# Altium PCB 主板大.PcbDoc (continued)
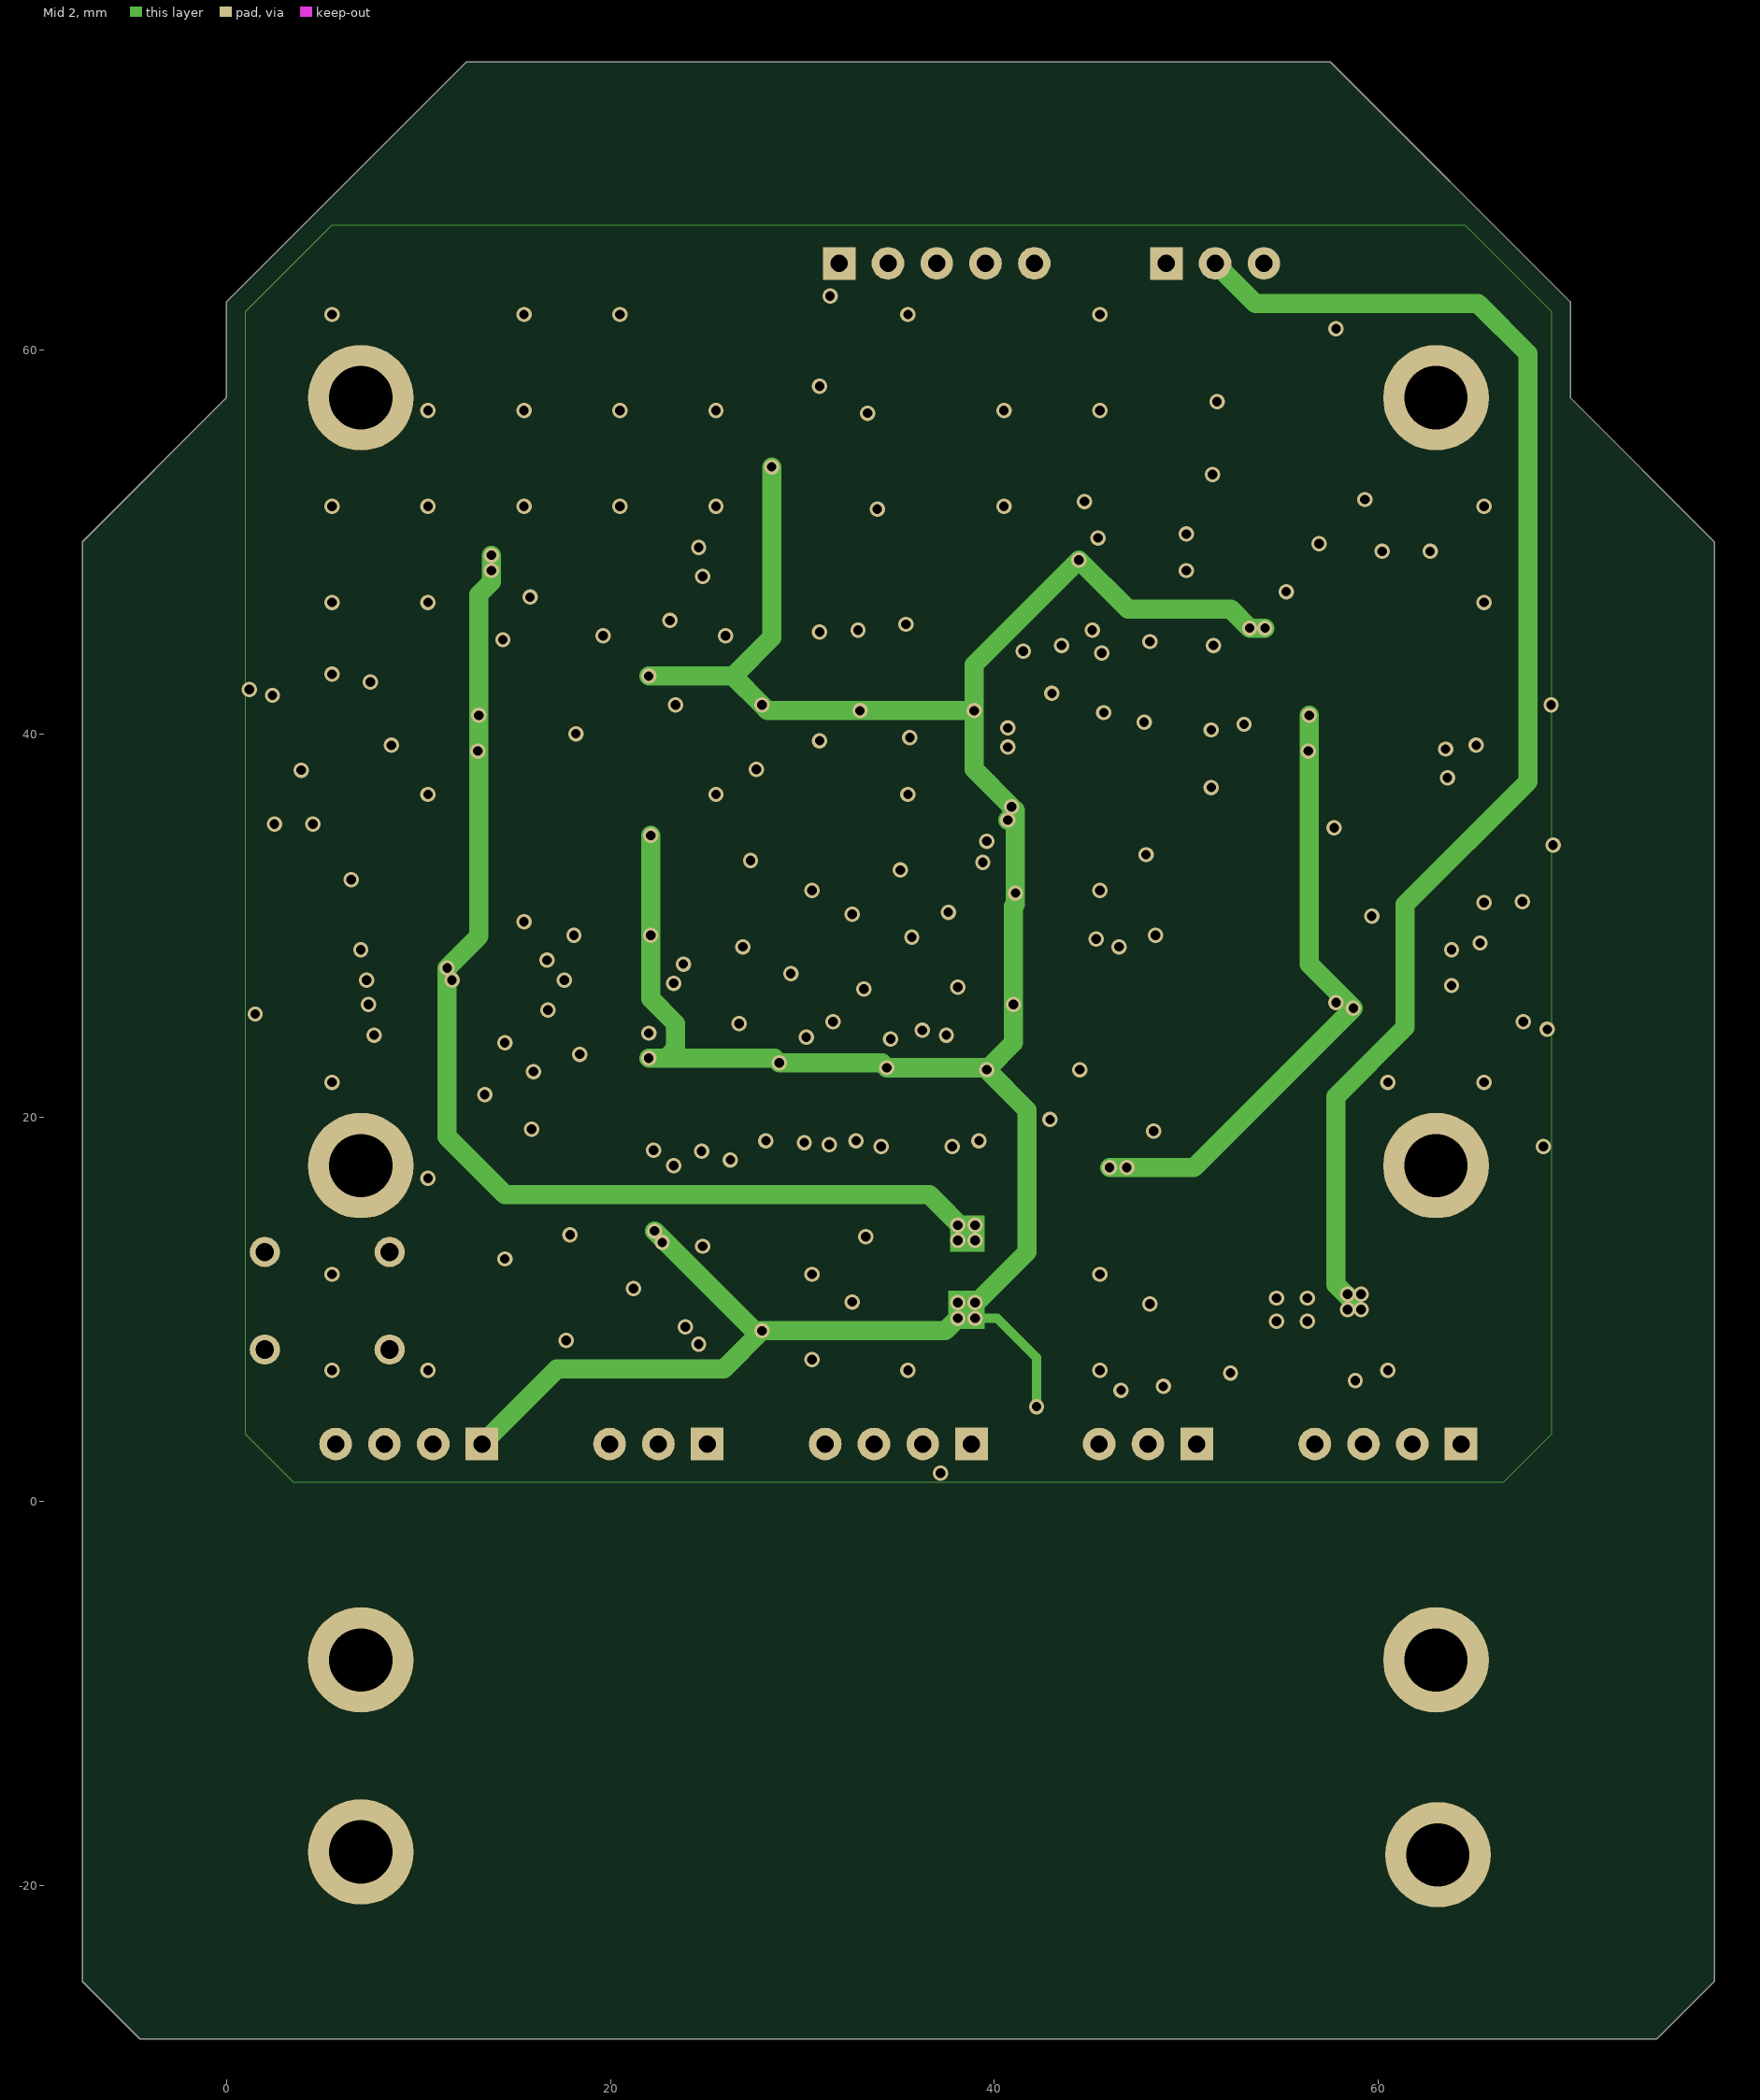
[diagram p3: Mid 2]

## Layer stack, top to bottom
Top Solder: solder mask 0.01, Solder Resist, Dk 3.5
Top Layer: signal copper 0.035
Dielectric 1: prepreg 0.21, Dk 4.2
Mid 1: signal copper 0.015
Dielectric 3: core 1.06, Dk 4.2
Mid 2: signal copper 0.015
Dielectric 2: prepreg 0.21, Dk 4.2
Bottom Layer: signal copper 0.035
Bottom Solder: solder mask 0.01, Solder Resist, Dk 3.5

## Board outline
-7.5,-25 -7.5,50 0,57.5 0,62.5 12.5,75 57.5,75 70,62.5 70,57.5 77.5,50 77.5,-25 74.5,-28 -4.5,-28

## Design rules (kind name [scope] priority, off if disabled: settings)
Clearance [All] p1: gap=0.254 ignorepadtopadclearanceinfootprint=TRUE except(0: Arc-Hole Track-Hole SMDPad-Hole THPad-Hole Via-Hole Fill-Hole Poly-Hole Region-Hole Text-Hole; 0.15: Arc-SMDPad Track-SMDPad; 0.2: Arc-Arc Arc-Track Track-Track)
ComponentClearance [All] p1: gap=0 collisioncheckmode=3 verticalgap=0 showdistances=FALSE
Height [All] p1: minheight=0 maxheight=1000 prefheight=1000
HoleSize [All] p1: absolutevalues=TRUE maxlimit=10 minlimit=0.025 maxpercent=80.000 minpercent=20.000
HoleToHoleClearance [All] p1: gap=0 allowstackedmicrovias=TRUE
MinimumSolderMaskSliver [All] p1: minsoldermaskwidth=0
PlaneConnect [All] p1: pad.planeconnectstyle=Relief pad.reliefexpansion=0.508 pad.reliefentries=4 pad.reliefconductorwidth=0.254 pad.reliefairgap=0.254 via.planeconnectstyle=Direct via.reliefexpansion=0.508 via.reliefentries=4 via.reliefconductorwidth=0.254 via.reliefairgap=0.254
PolygonConnect [All] p1: thpad.connectstyle=Relief thpad.reliefconductorwidth=0.254 thpad.reliefentries=4 thpad.polygonreliefangle="90 Angle" thpad.airgapwidth=0.254 smdpad.connectstyle=Relief smdpad.reliefconductorwidth=0.254 smdpad.reliefentries=4 smdpad.polygonreliefangle="90 Angle" smdpad.airgapwidth=0.254 via.connectstyle=Direct via.reliefconductorwidth=0.254 via.reliefentries=4 via.polygonreliefangle="90 Angle" via.airgapwidth=0.254
RoutingVias [All] p1: holewidth=0.711 width=1.27 viastyle="Through Hole" minholewidth=0 minwidth=0 maxholewidth=10 maxwidth=10
SilkToSilkClearance [All] p1: silktosilkclearance=0
SilkToSolderMaskClearance [IsPad] p1: minsilkscreentomaskgap=0 clearancetoexposedcopper=TRUE
SolderMaskExpansion [All] p1: expansion=0.102
Width [All] p1: maxlimit=10 minlimit=0.1 preferedwidth=0.254 minimp=50.000000 maximp=50.000000 favimp=50.000000
22 further rules are at their usual default settings.

## Classes and differential pairs
component class 各路供电与接口: C53 C54 C55 C56 C57 C58 C59 C60 C61 C62 C63 C64 C65 C66 C67 C68 C69 D3 L1 P1 P13 P14 P15 P16 R32 R37 R41 R42 R43 R44 R45 R48 R49 R50 R51 R53 R54 U11 U12
component class F407主控: C1 C2 C3 C4 C5 C6 C7 C8 C9 C10 C11 C12 C13 C14 C15 C16 C17 C18 C19 C20 C21 C22 C23 C24 C25 C26 C27 C28 C29 C30 C31 C32 C33 C34 C35 C36 FB1 J1 J2 P2 P3 P4 P5 P6 P12 R1 R2 R3 R4 R5 R6 R7 R8 R9 R10 R11 R12 R13 R14 R15 S1 U1 U2 U3 U4 U5 U6 Y1 Y2
component class 外围电路: C54 C55 C56 C57 C58 C59 C60 C61 C62 C63 C64 C65 C66 C67 C68 C69 D2 D3 FB2 FB3 P12 P13 P14 P15 P16 R29 R30 R31 R32 R33 R34 R35 R36 R37 R38 R39 R40 R41 R42 R43 R44 R45 R46 R47 R48 R49 R50 R51 R52 R53 R54 U9 U10 U11 U12 U13 U14 U15

## Components (designator, comment, footprint, x,y, rotation, side; value= is the part's Value field where it differs from the comment)
C1 "0.1uF" C0805_M 8,51.395 r0 top
C2 "0.1uF" C0805_M 20,15.5 r0 top value=100pF
C3 "10uF" C0805_M 8,49 r0 top
C4 "10uF" C0805_M 24.5,15.5 r180 top value=100pF
C5 "0.1uF" C0805_M 33.5,41 r90 bottom
C6 "0.1uF" C0805_M 38.5,41 r90 bottom
C7 "0.1uF" C0805_M 40.5,36 r0 bottom
C8 "0.1uF" C0805_M 40.5,30.5 r0 bottom
C9 "0.1uF" C0805_M 28.5,41 r90 bottom
C10 "0.1uF" C0805_M 39,23 r270 bottom
C11 "0.1uF" C0805_M 33,23 r270 bottom
C12 "0.1uF" C0805_M 28,23 r270 bottom
C13 "0.1uF" C0805_M 22.5,22.5 r180 bottom
C14 "0.1uF" C0805_M 22.5,30.5 r180 bottom
C15 "0.1uF" C0805_M 22.5,36 r180 bottom
C16 "0.1uF" C0805_M 22,41 r90 bottom
C17 "0.1uF" C0805_M 61.5,50.9 r0 top
C18 "0.1uF" C0805_M 54.5,53.5 r0 top
C19 "10nF" C0805_M 61.5,48 r180 top
C20 "10uF" C0805_M 58,54.5 r270 top
C21 "1nF" C0805_M 35,49.5 r0 top
C22 "0.1uF" C0805_M 42,2.5 r90 bottom
C23 "1nF" C0805_M 40,49.5 r180 top
C24 "12pF" C0805_M 50,21.5 r180 top
C25 "12pF" C0805_M 50,25.5 r180 top
C26 "12pF" C0805_M 50,31.5 r180 top
C27 "0.1uF" C0805_M 40.5,26.5 r0 bottom
C28 "12pF" C0805_M 50,38.5 r0 top
C29 "2.2uF" C0805_M 40.5,38 r180 bottom
C30 "2.2uF" C0805_M 24,41 r270 bottom
C31 "2.2uF" C0805_M 22.5,25 r0 bottom
C32 "0.1uF" C0805_M 12.5,11 r180 top
C33 "0.1uF" C0805_M 44.5,41 r270 bottom
C34 "10uF" C0805_M 41.5,41 r270 bottom
C35 "10uF" C0805_M 49.5,61.5 r180 bottom
C36 "0.1uF" C0805_M 51,58 r180 bottom
C37 "100uF/50V" "CS 6*6 - R" 299.706,-18.044 r90 top
C38 "100uF/50V" "CS 6*6 - R" 307.806,-18.044 r90 top
C39 "10nF" C0805_M 292.906,-15.744 r90 top
C40 "1uF/>35V" C0805_M 274.606,-15.744 r90 top
C41 "22pF" C0805_M 270.506,-15.744 r90 top
C42 "100uF/>35V" "CS 6*6 - R" 251.506,-18.044 r90 top
C43 "100uF" "CS 6*6 - R" 259.606,-18.044 r90 top
C44 "10uF" C0805_M 240.106,-15.744 r90 top
C45 "0.1uF" C0805_M 244.606,-15.744 r90 top
C46 "0.1uF/>35V" C0805_M 197.806,-15.744 r90 top
C47 "100uF/50V" "CS 6*6 - R" 168.306,-18.044 r90 top
C48 "100uF/50V" "CS 6*6 - R" 176.406,-18.044 r90 top
C49 "1uF" C0805_M 161.406,-15.744 r90 top
C50 "100uF/50V" "CS 6*6 - R" 133.606,-18.044 r90 top
C51 "100uF/50V" "CS 6*6 - R" 141.706,-18.044 r90 top
C52 "100uF/50V" "CS 6*6 - R" 89.706,-18.044 r90 top
C53 "100uF/50V" "CS 6*6 - R" 97.806,-18.044 r90 top
C54 "10uF" C0805_M 12,27.105 r180 top
C55 "10uF" C0805_M 57.118,26.895 r0 top
C56 "0.1uF" C0805_M 12,25.105 r180 top
C57 "0.1uF" C0805_M 57.118,28.895 r0 top
C58 "10uF" C0805_M 12,42 r180 top
C59 "0.1uF" C0805_M 12,40 r180 top
C60 "0.1uF" C0805_M 61.5,5.5 r180 bottom
C61 "10uF" C0805_M 57.5,40 r0 top
C62 "0.1uF" C0805_M 57.5,42 r0 top
C63 "220uF" "CS 6*6 - R" 65,10.5 r180 top
C64 "22uF" "CS 6*6 - R" 47.008,11.6 r90 top
C65 "0.1uF" C0805_M 60,11.5 r270 bottom value=100pF
C66 "10uF" C0805_M 52.5,10.5 r0 bottom value=100pF
C67 "0.1uF" C0805_M 52.5,8 r0 bottom value=100pF
C68 "10uF" C0805_M 36,14 r0 top value=100pF
C69 "10uF" C0805_M 36,10 r0 top value=100pF
D1 "TVS Diode" SMB 288.606,-17.244 r90 top
D2 "5V" LED0805_G 68,17 r270 top
D3 "3.3V" LED0805_G 32.1,13.5 r90 top
FB1 "100R" R0805_M 57.05,46 r180 top
FB2 "100R" R0805_M 41,10 r0 top
FB3 "100R" R0805_M 41,14 r0 top
J1 "2-1_Jumper" 2-1_Jumper 31.5,54 r90 top
J2 "2-1_Jumper" 2-1_Jumper 29.5,10 r90 top
L1 "4.7uH" L-SMD-0630 281.706,-18.344 r90 top value=10mH
P1 "DBG" XH2.54-LI-3P 22.5,3 r180 top
P2 "SWD" XH2.54-LI-4P 9.5,3 r180 top locked
P3 "FOC&ADC" XH2.54-LI-5P 37,64.5 r0 top
P4 "SBUS-OUT" XH2.54-LI-3P 48,3 r180 top
P5 "FCC" XH2.54-LI-4P 35,3 r180 top
P6 "SBUS-IN" XH2.54-LI-3P 51.5,64.5 r0 top locked
P7 "XT30PB-F" XT30PB-F 315.306,-18.844 r90 top
P8 "XT30PB-F" XT30PB-F 219.506,-18.844 r90 top
P9 "XT30PB-F" XT30PB-F 149.106,-18.844 r90 top
P10 "XT30PB-F" XT30PB-F 105.306,-18.844 r90 top
P11 "POWER" XH2.54-LI-4P 81.406,-19.944 r90 top
P12 "SH1.0-4P-WT" SH1.0-LT-4P 2.5,41.5 r270 top
P13 "POWER" XH2.54-LI-4P 60.5,3 r180 top
P14 "SH1.0-4P-WT" SH1.0-LT-4P 2.5,25.5 r270 top locked
P15 "SH1.0-4P-WT" SH1.0-LT-4P 67.5,41.5 r90 top
P16 "SH1.0-4P-WT" SH1.0-LT-4P 67.5,25.5 r90 top locked
R1 "1K" R0805_M 28.5,48.5 r90 top
R2 "1K" R0805_M 48.857,43.1 r180 top
R3 "4.7K" R0805_M 48,50.5 r0 top value=1K
R4 "4.7K" R0805_M 48,48.5 r0 top value=1K
R5 "4.7K" R0805_M 21,13 r270 bottom value=1K
R6 "4.7K" R0805_M 23.5,13 r270 bottom value=1K
R7 "0R" R0805_M 52,48.5 r180 top value=1K
R8 "0R" R0805_M 52,50.5 r180 top value=1K
R9 "10K" R0805_M 31.5,48.5 r90 top value=1K
R10 "47R" R0805_M 36,53.5 r270 top value=1K
R11 "47R" R0805_M 39,53.5 r270 top value=1K
R12 "1M" R0805_M 46.5,35 r270 top value=1K
R13 "10K" R0805_M 12.5,8.5 r180 top value=1K
R14 "10R" R0805_M 44.5,37 r90 bottom value=1K
R15 "10K" R0805_M 29.5,14.5 r270 top value=1K
R16 "150K/<1%" R0805_M 266.306,-14.544 r0 top value=1K
R17 "47K/0.5%" R0805_M 225.406,-14.544 r0 top value=1K
R18 "300K/0.5%" R0805_M 230.706,-14.544 r0 top value=1K
R19 "15K/0.5%" R0805_M 235.906,-14.544 r0 top value=1K
R20 "100K" R0805_M 208.306,-14.544 r0 top value=1K
R21 "20K/<1%" R0805_M 213.506,-14.544 r0 top value=1K
R22 "15K/0.5%" R0805_M 183.106,-14.544 r0 top value=1K
R23 "0R" R0805_M 188.306,-14.544 r0 top value=1K
R24 "22K/0.5%" R0805_M 193.606,-14.544 r0 top value=1K
R25 "0R" R0805_M 126.906,-14.544 r0 top value=1K
R26 "82K/0.5%" R0805_M 121.706,-14.544 r0 top value=1K
R27 "0R" R0805_M 116.506,-14.544 r0 top value=1K
R28 "10K/0.5%" R0805_M 111.206,-14.544 r0 top value=1K
R29 "0R" R0805_M 10,33.5 r270 top value=1K
R30 "0R" R0805_M 8,33.5 r270 top value=1K
R31 "4.7K" R0805_M 13,30.5 r180 bottom value=1K
R32 "4.7K" R0805_M 56,23.5 r0 bottom value=1K
R33 "4.7K" R0805_M 8.5,30.5 r0 bottom value=1K
R34 "4.7K" R0805_M 61,23.5 r180 bottom value=1K
R35 "120R" R0805_M 6,26.5 r90 bottom value=1K
R36 "120R" R0805_M 63,28 r270 bottom value=1K
R37 "4.7K" R0805_M 13.5,22.5 r0 bottom value=1K
R38 "4.7K" R0805_M 55.5,32 r180 bottom value=1K
R39 "4.7K" R0805_M 8.5,22.5 r180 bottom value=1K
R40 "4.7K" R0805_M 62,32 r0 bottom value=1K
R41 "0R" R0805_M 4.5,33.5 r90 top value=1K
R42 "0R" R0805_M 2.5,33.5 r90 top value=1K
R43 "1K" R0805_M 68,17 r270 bottom
R44 "0R" R0805_M 11.5,45 r0 bottom value=1K
R45 "0R" R0805_M 59.5,33 r270 top value=1K
R46 "1K" R0805_M 37.5,12 r0 top
R47 "120R" R0805_M 7,41 r90 bottom value=1K
R48 "0R" R0805_M 61.5,33 r270 top value=1K
R49 "0R" R0805_M 58.5,37 r180 bottom value=1K
R50 "300K" R0805_M 66.5,6.5 r270 bottom value=1K
R51 "0R" R0805_M 65.5,33 r90 top value=1K
R52 "100K" R0805_M 65,12 r180 bottom value=1K
R53 "0R" R0805_M 67.5,33 r90 top value=1K
R54 "120R" R0805_M 63.5,41 r270 bottom value=1K
S1 "IO0" KEY_M 2,13 r0 top
U1 "E01-ML01SP4" PE01-ML01SP4 19,55.5 r90 top locked
U2 "24C256" SOP-8 20,11 r0 top
U3 "STM32F407ZET6" LQFP144 31.5,32 r180 top locked
U4 "MPU-6500" QFN24-L3.0-W3.0-P0.4 56.918,49.9 r0 top
U5 "SN74LVC1GU04" SOT-23-5 41,7 r0 bottom
U6 "SN74LVC1GU04" SOT-23-5 55,59.5 r270 bottom
U7 "SY8303" SOT23-8L 203.206,-15.444 r0 top
U8 "TPS26600" ETSSOP16_M 156.306,-17.844 r90 top
U9 "SP3485" SOIC-8 12,26.5 r180 bottom
U10 "SP3485" SOIC-8 57,28 r0 bottom
U11 "SN65HVD230" SOIC-8 13,41 r180 bottom
U12 "TPS25200" WSON-6 64,9 r0 bottom
U13 "SN65HVD230" SOIC-8 57,41 r0 bottom
U14 "CH213K" SOT-23-3 50.5,17 r270 top
U15 "AMS1117-3.3" SOT223_M 55.5,12.5 r0 top
Y1 "32.768KHz" OSC-3215-2P 46.5,23.5 r270 top
Y2 "8MHz" OSC-3225-4P 50,35 r270 top

## Footprints (in the part's own frame and the unit in brackets; to place one, negate y for a bottom-side part, rotate by r counter-clockwise, add the part's x,y. Pads: shape width x height; smd on the part's side, far side on the other; paste and mask are expansions set on the pad)
2-1_Jumper [mm]
  rect 2x0.9 smd: 1(0,0) 2(0,1.1) 3(0,-1.1)
  silkscreen extent -1.3,-1.8 1.3,1.8
C0805_M [mil] "贴片MLCC电容"
  rect 50x50 smd: 1(-45,0) 2(45,0)
  silkscreen extent -81,-36 81,36, body extent -39,-25 39,25, height 49
"CS 6*6 - R" [mm] "直径6mm，高6mm             联系卖家 免费人工查找封装"
  rect 2.7x1 smd: 1(3,0)
  oval 2.7x1 smd: 2(-3,0)
  silkscreen extent -3.3,-3.3 3.43,3.3, body extent -3.5,-3.15 3.5,3.15, height 6.05
ETSSOP16_M [mm] "5*6.4*1.2mm（长宽高）"
  rect 1.7x0.35 smd: 1(-3.1,2.275)
  oval 1.7x0.35 smd: 2(-3.1,1.625) 3(-3.1,0.975) 4(-3.1,0.325) 5(-3.1,-0.325) 6(-3.1,-0.975) 7(-3.1,-1.625) 8(-3.1,-2.275) 9(3.1,-2.275) 10(3.1,-1.625) 11(3.1,-0.975) 12(3.1,-0.325) 13(3.1,0.325) 14(3.1,0.975) 15(3.1,1.625) 16(3.1,2.275)
  rect 3x3 smd paste-3: 17(0,0)
  rect 0.75x0.75 on Top Paste: 19(-1,1) 20(0,1) 21(1,1) 22(1,0) 23(0,0) 24(-1,0) 25(-1,-1) 26(0,-1) 27(1,-1)
  silkscreen extent -3.3,-2.45 1.78,3.05, body extent -3.2,-2.5 3.2,2.5, height 1.03
KEY_M [mil]
  round 62 hole 38: 1(0,0) 1(255.91,0) 2(0,-200) 2(255.91,-200)
  silkscreen extent 0,-200 255,0
L-SMD-0630 [mm] "一体化成型电感"
  rect 3x3.5 smd: 1(-3.175,0) 2(3.175,0)
  silkscreen extent -3.66,-3.48 3.66,3.48, body extent -3.47,-3.3 3.48,3.3, height 3.05
LED0805_G [mil] "绿色0805LED            联系卖家 免费查找封装"
  rrect50% 40x50 smd: 1(-38.4,0) 2(38.4,0)
  silkscreen extent -70,-36 82,36, body extent -39,-25 39,25, height 32
LQFP144 [mm]
  rect 1.8x0.254 smd: 1(-11.25,8.75) 2(-11.25,8.25) 3(-11.25,7.75) 4(-11.25,7.25) 5(-11.25,6.75) 6(-11.25,6.25) 7(-11.25,5.75) 8(-11.25,5.25) 9(-11.25,4.75) 10(-11.25,4.25) 11(-11.25,3.75) 12(-11.25,3.25) 13(-11.25,2.75) 14(-11.25,2.25) 15(-11.25,1.75) 16(-11.25,1.25) 17(-11.25,0.75) 18(-11.25,0.25) 19(-11.25,-0.25) 20(-11.25,-0.75) 21(-11.25,-1.25) 22(-11.25,-1.75) 23(-11.25,-2.25) 24(-11.25,-2.75) 25(-11.25,-3.25) 26(-11.25,-3.75) 27(-11.25,-4.25) 28(-11.25,-4.75) 29(-11.25,-5.25) 30(-11.25,-5.75) 31(-11.25,-6.25) 32(-11.25,-6.75) 33(-11.25,-7.25) 34(-11.25,-7.75) 35(-11.25,-8.25) 36(-11.25,-8.75) 73(11.25,-8.75) 74(11.25,-8.25) 75(11.25,-7.75) 76(11.25,-7.25) 77(11.25,-6.75) 78(11.25,-6.25) 79(11.25,-5.75) 80(11.25,-5.25) 81(11.25,-4.75) 82(11.25,-4.25) 83(11.25,-3.75) 84(11.25,-3.25) 85(11.25,-2.75) 86(11.25,-2.25) 87(11.25,-1.75) 88(11.25,-1.25) 89(11.25,-0.75) 90(11.25,-0.25) 91(11.25,0.25) 92(11.25,0.75) 93(11.25,1.25) 94(11.25,1.75) 95(11.25,2.25) 96(11.25,2.75) 97(11.25,3.25) 98(11.25,3.75) 99(11.25,4.25) 100(11.25,4.75) 101(11.25,5.25) 102(11.25,5.75) 103(11.25,6.25) 104(11.25,6.75) 105(11.25,7.25) 106(11.25,7.75) 107(11.25,8.25) 108(11.25,8.75)
  rect 0.254x1.8 smd: 37(-8.75,-11.25) 38(-8.25,-11.25) 39(-7.75,-11.25) 40(-7.25,-11.25) 41(-6.75,-11.25) 42(-6.25,-11.25) 43(-5.75,-11.25) 44(-5.25,-11.25) 45(-4.75,-11.25) 46(-4.25,-11.25) 47(-3.75,-11.25) 48(-3.25,-11.25) 49(-2.75,-11.25) 50(-2.25,-11.25) 51(-1.75,-11.25) 52(-1.25,-11.25) 53(-0.75,-11.25) 54(-0.25,-11.25) 55(0.25,-11.25) 56(0.75,-11.25) 57(1.25,-11.25) 58(1.75,-11.25) 59(2.25,-11.25) 60(2.75,-11.25) 61(3.25,-11.25) 62(3.75,-11.25) 63(4.25,-11.25) 64(4.75,-11.25) 65(5.25,-11.25) 66(5.75,-11.25) 67(6.25,-11.25) 68(6.75,-11.25) 69(7.25,-11.25) 70(7.75,-11.25) 71(8.25,-11.25) 72(8.75,-11.25) 109(8.75,11.25) 110(8.25,11.25) 111(7.75,11.25) 112(7.25,11.25) 113(6.75,11.25) 114(6.25,11.25) 115(5.75,11.25) 116(5.25,11.25) 117(4.75,11.25) 118(4.25,11.25) 119(3.75,11.25) 120(3.25,11.25) 121(2.75,11.25) 122(2.25,11.25) 123(1.75,11.25) 124(1.25,11.25) 125(0.75,11.25) 126(0.25,11.25) 127(-0.25,11.25) 128(-0.75,11.25) 129(-1.25,11.25) 130(-1.75,11.25) 131(-2.25,11.25) 132(-2.75,11.25) 133(-3.25,11.25) 134(-3.75,11.25) 135(-4.25,11.25) 136(-4.75,11.25) 137(-5.25,11.25) 138(-5.75,11.25) 139(-6.25,11.25) 140(-6.75,11.25) 141(-7.25,11.25) 142(-7.75,11.25) 143(-8.25,11.25) 144(-8.75,11.25)
  silkscreen extent -12.05,-12.05 12.05,12.05, body extent -11.1,-11.1 11.1,11.1, height 1.8
OSC-3215-2P [mm] "3.2*1.5*0.6mm(长宽高)"
  rect 1.2x1.5 smd: 1(-1.65,0) 2(1.65,0)
  silkscreen extent -2.41,-0.89 2.41,0.89, body extent -1.6,-0.75 1.6,0.75, height 0.61
OSC-3225-4P [mm] "3.2*2.5*0.7mm(长宽高)                             淘宝ID:黄晶宝石"
  rect 1.3x1.2 smd: 1(-1.05,-0.85) 2(1.05,-0.85) 3(1.05,0.85) 4(-1.05,0.85)
  silkscreen extent -2.03,-1.75 1.91,1.65, body extent -1.6,-1.25 1.6,1.25, height 0.7
PE01-ML01SP4 [mm] "18mm*14.5mm*2.4mm-S"
  rect 1.5x0.8 smd: 1(-6.497,4.453) 2(-6.497,3.183) 3(-6.497,1.913) 4(-6.497,0.643) 5(-6.497,-0.627) 6(-6.497,-1.897) 7(-6.497,-3.167) 8(-6.497,-4.437)
  rect 1.5x2 smd: 9(6.497,-7.25) 10(6.497,7.25)
  silkscreen extent -6.5,-7.25 11.5,7.25
QFN24-L3.0-W3.0-P0.4 [mm] "QFN, 24-Leads, Body 3.1x3.1mm, Pitch 0.40mm, Thermal Pad 1.54x1.70mm, IPC Medium Density 最新版本联系淘宝卖家 ID：黄晶宝石"
  oval 0.2x0.8 smd: 1(-1,-1.582) 2(-0.6,-1.582) 3(-0.2,-1.582) 4(0.2,-1.582) 5(0.6,-1.582) 6(1,-1.582) 13(1,1.582) 14(0.6,1.582) 15(0.2,1.582) 16(-0.2,1.582) 17(-0.6,1.582) 18(-1,1.582)
  oval 0.8x0.2 smd: 7(1.582,-1) 8(1.582,-0.6) 9(1.582,-0.2) 10(1.582,0.2) 11(1.582,0.6) 12(1.582,1) 19(-1.582,1) 20(-1.582,0.6) 21(-1.582,0.2) 22(-1.582,-0.2) 23(-1.582,-0.6) 24(-1.582,-1)
  rect 1.7x1.7 smd: 25(0,0)
  silkscreen extent -1.99,-1.99 1.7,1.7, body extent -1.51,-1.51 1.51,1.51, height 0.72
R0805_M [mm] "1/8W贴片电阻"
  rect 1.2x1.3 smd: 1(-1.05,0) 2(1.05,0)
  silkscreen extent -1.9,-0.89 1.9,0.89, body extent -1,-0.62 1,0.63, height 0.6
SH1.0-LT-4P [mm] "SH1.0连接器-立贴-4P                联系卖家 免费查找封装"
  rect 1.4x1.8 smd: 0(-2.9,-1.25) 0(2.9,-1.25)
  rect 0.6x1.9 smd: 1(1.5,1.25) 2(0.5,1.25) 3(-0.5,1.25) 4(-1.5,1.25)
  silkscreen extent -2.9,-2.03 2.9,1.05, body extent -3,-1.9 3,1.7, height 4.25